# Altium PCB TIMESTICK_2.1.PcbDoc (part 2 of 2) (continued)
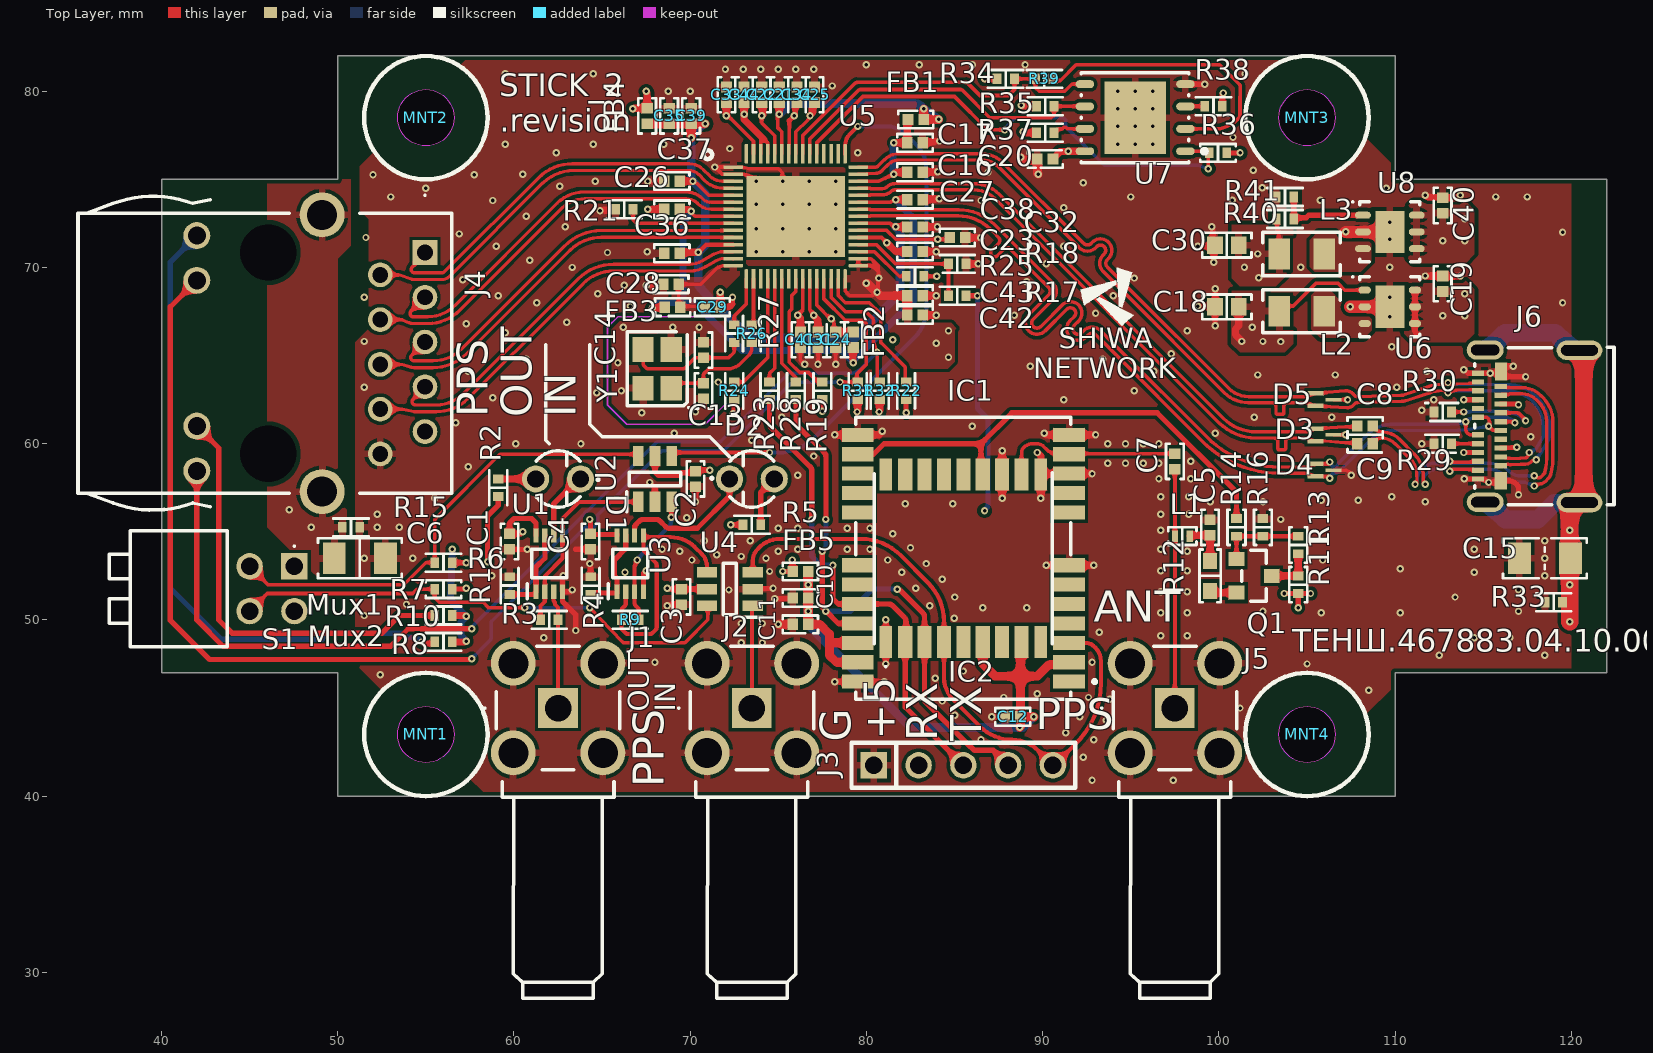
[diagram p0: Top Layer view]
## Nets (pads, with @x,y where several pads share a name; then routed paths per layer and width w, separated by ;. In a path a pad name is that pad's centre, name@x,y a point inside that pad or via, vN(x,y) a via of type N, cw(c..) or ccw(c..) an arc to the next point about the centre after c; other vN are vias at no path point) (continued)
  Top Layer w0.233: Q1.1@101,53.45 R14.2@101,54.75 R16.1@102.5,54.75 R13.1@104.5,54.75
NetQ1_2: Q1.2 R12.1 | length 1.5
  Top Layer w0.4: R12.1@99.5,51.65 99.6,51.55 Q1.2@101,51.55
NetR1_1: R1.1 U1.1 U1.7 | length 5
  Top Layer w0.286: R1.1@59.75,51.45 61.1,51.45 U1.1@61.25,51.6 61.25,53 61.75,53.5 U1.7@61.75,54.8
NetR4_2: R4.2 U3.1 U3.7 | length 5.1
  Top Layer w0.3: R4.2@64.344,51.448 64.419,51.523 65.844,51.523 U3.1@65.844,51.598 65.844,52.356 65.7,52.5 65.7,53.4 66.344,54.044 U3.7@66.344,54.798
NetR21_2: R21.2 U5.9 | length 6.4
  Top Layer w0.2: R21.2@66.756,73.3 66.756,72.7 66.956,72.5 71.932,72.5 U5.9@72.441,72.5
NetR22_1: R22.1 U5.29 | length 8.2
  Top Layer w0.2: U5.29@78.391,69.35 78.391,68.409 78.8,68 80.156,68 80.741,67.414 cw(c80.6,67.273) 80.8,67.273 80.8,65.833 ccw(c81,65.833) 80.859,65.692 82.142,64.408 cw(c82,64.268) 82.2,64.268 82.2,63.55 R22.1@82.25,63.5
NetR24_1: R24.1 U5.19 | length 6.9
  Top Layer w0.2: R24.1@72.5,63.5 73,63.5 74.391,64.891 U5.19@74.391,69.35
NetR25_1: R25.1 U5.33 | length 3.3
  Top Layer w0.2: U5.33@79.541,70.9 80.456,70.9 81.856,69.5 R25.1@82.256,69.5
NetR37_2: R37.2 U7.7 | length 1.9
  Top Layer w0.2: R37.2@90.644,77.65 90.644,77.7 90.794,77.85 91.095,77.85 91.195,77.95 91.315,77.95 91.4,77.865 U7.7@92.4,77.865
NetR38_2: R38.2 U7.3 | length 1.1
  Top Layer w0.203: U7.3@98.1,79.135 98.115,79.15 R38.2@99.194,79.15
NetR39_1: R39.1 U7.2 | length 16.6
  Top Layer w0.203: R39.1@90.594,80.7 90.694,80.6 90.994,80.6 91.894,81.5 99.966,81.5 cw(c99.966,81.297) 100.109,81.441 101.161,80.389 cw(c101.017,80.246) 101.22,80.241 101.196,79.222 ccw(c101.399,79.218) 101.196,79.218 101.196,78.63 cw(c100.993,78.63) 101.136,78.486 100.885,78.235 ; U7.2@98.1,77.865 100.015,77.865 ccw(c100.015,78.068) 100.07,77.872 ccw(c99.208,80.96) 100.846,78.205 ccw(c100.742,78.379) 100.884,78.234
NetR40_2: R40.2 R41.1 U8.1 | length 5.3
  Top Layer w0.3: R41.1@104.25,74 R40.2@104.25,72.75 104.317,72.817 104.95,72.817 105.1,72.967 U8.1@108.175,72.967
RESET_N: R19.1 U5.23 | length 7.2
  Top Layer w0.203: U5.23@75.991,69.35 75.991,68.635 75.75,68.394 75.75,67.624 75.623,67.497 75.623,64.627 76.212,64.039 76.712,64.039 77.25,63.5 R19.1@77.5,63.5
RF: C7.2 IC1.11 IC2.11 | length 10.4
  Top Layer w0.2: IC2.11@88.8,58.25 88.8,59.457 88.8,59.458 cw(c89.271,59.458) 88.938,59.791 cw(c89.444,59.281) 89.444,60 89.658,60 cw(c89.658,59.415) 90.07,59.83 90.2,59.7 90.26,59.64 ccw(c90.843,60.227) 90.7,59.412 IC1.11@91.5,59.4 91.54,59.44 C7.2@97.5,59.44
SPI_CLK: R35.2 U5.51 U7.6 | length 18.8
  Top Layer w0.203: U5.51@76.791,76.45 76.791,77.291 79.541,80.041 cw(c79.684,79.897) 79.684,80.1 85.316,80.1 cw(c85.316,79.897) 85.459,80.041 87,78.5 90.494,78.5 90.644,78.65 R35.2@90.644,79.15 92.385,79.15 U7.6@92.4,79.135
SPI_CS: R36.2 U5.50 U7.1 | length 28.7
  Top Layer w0.203: U5.50@77.191,76.45 77.191,77.091 79.8,79.7 84,79.7 85,79.7 86.887,77.813 87.837,77.813 v1(87.85,77.8) ; U7.1@98.1,76.595 99.302,76.595 R36.2@99.45,76.5 99.4,76.302 v1(99.4,75.6)
  Bottom Layer w0.203: v1(87.85,77.8) 87.85,77.859 87.986,77.995 87.986,78.036 88.45,78.5 91.181,78.5 91.3,78.381 91.3,78 93.5,75.8 98.8,75.8 cw(c98.8,75.597) 98.868,75.788 v1(99.4,75.6)
SPI_DIO: R34.2 R39.2 U5.52 U7.5 | length 20.1
  Top Layer w0.203: U5.52@76.391,76.45 76.391,77.491 79.341,80.441 cw(c79.484,80.297) 79.484,80.5 85.616,80.5 cw(c85.616,80.297) 85.759,80.441 86.441,79.759 88.059,79.759 88.4,80.1 R34.2@88.4,80.7 R39.2@89.594,80.7 89.594,80.206 89.8,80 91.25,80 91.655,80.405 U7.5@92.4,80.405
SSRX_N: D5.2 J6.A10 J6.B10 U5.44 | length 54
  Top Layer w0.195: U5.44@79.541,75.3 U5.44@79.994,75.303 ; U5.44@79.994,75.303 cw(c80.082,75.13) 80.082,75.324 ccw(c80.082,75.676) 80.085,75.324 ccw(c80.082,75.87) 80.11,75.325 80.544,75.346 ccw(c80.517,75.892) 80.902,75.504 81.25,75.853 ; 81.25,75.853 cw(c81.849,75.251) 81.849,76.1 86.534,76.1 cw(c86.534,74.734) 87.5,75.7 91.891,71.309 92.032,71.168 92.084,71.116 ccw(c92.543,71.575) 93.002,71.116 93.069,71.183 cw(c93.279,70.973) 93.489,71.183 cw(c93.279,70.973) 93.489,70.763 93.422,70.696 ccw(c93.881,70.237) 93.422,69.778 94.358,68.842 94.5,68.7 100.305,62.895 ccw(c101.683,64.273) 101.677,62.324 102.5,62.324 103.046,62.324 cw(c103.046,62.13) 103.24,62.13 103.24,61.745 ccw(c103.308,61.745) 103.308,61.678 103.622,61.678 ccw(c103.622,61.745) 103.689,61.745 103.689,62.13 cw(c103.883,62.13) 103.883,62.324 104.2,62.324 104.941,62.324 ccw(c104.943,62.676) 104.943,62.324 cw(c104.943,62.13) 105.132,62.174 D5.2@105.492,62.144 105.852,62.115 107.277,62.043 ccw(c107.3,62.5) 107.677,62.241 cw(c107.836,62.13) 107.685,62.251 cw(c107.836,62.13) 107.836,62.324 107.838,62.324 ccw(c107.836,62.87) 107.852,62.324 110.362,62.399 110.413,62.4 ccw(c110.397,62.946) 110.568,62.427 111.894,62.864 ccw(c111.723,63.383) 111.983,62.902 cw(c112.2,62.5) 112.117,62.95 112.284,62.981 cw(c112.32,62.789) 112.302,62.983 112.731,63.02 cw(c112.748,62.826) 112.75,63.021 cw(c112.748,62.826) 112.849,62.992 v1(113,62.9) cw(c113.095,62.73) 113.033,62.915 113.114,62.942 ccw(c113.052,63.126) 113.163,62.967 cw(c113.274,62.807) 113.276,63.001 ccw(c113.28,63.547) 113.278,63.001 ; 113.279,63.001 ccw(c113.28,63.547) 113.443,63.026 113.448,63.028 cw(c113.506,62.842) 113.498,63.036 114.19,63.063 ccw(c114.169,63.609) 114.26,63.071 114.265,63.071 cw(c114.297,62.88) 114.297,63.074 ; 114.297,63.074 cw(c114.297,62.88) 114.328,63.072 114.447,63.053 J6.A10@114.7,63 ; J6.B10@116,59.25 116.253,59.197 116.372,59.178 ccw(c116.403,59.37) 116.403,59.176 cw(c116.403,58.824) 116.405,59.176 cw(c116.403,58.63) 116.514,59.164 116.519,59.163 ccw(c116.558,59.354) 116.564,59.159 117.107,59.176 ccw(c117.101,59.371) 117.112,59.176 117.374,59.19 ccw(c117.364,59.385) 117.501,59.247 ccw(c117.364,59.385) 117.551,59.33 v1(117.6,59.5)
  Bottom Layer w0.195: v1(113,62.9) ccw(c113,63.047) 113.104,62.943 cw(c113.264,62.784) 113.264,63.009 116.329,63.009 cw(c116.329,60.929) 117.8,62.4 cw(c116.351,60.951) 118.4,60.951 118.4,60.531 118.4,60.433 cw(c118.205,60.433) 118.372,60.333 118.017,59.746 cw(c117.851,59.847) 117.939,59.674 v1(117.6,59.5) v1@117.749,59.477
SSRX_P: D5.1 J6.A11 J6.B11 U5.45 | length 54
  Top Layer w0.195: U5.45@79.541,75.7 79.994,75.697 ccw(c80.082,75.87) U5.45@80.082,75.676 ; U5.45@80.083,75.676 ccw(c80.082,75.87) 80.092,75.676 80.526,75.697 ccw(c80.517,75.892) 80.654,75.754 81.002,76.102 cw(c81.848,75.254) 81.848,76.452 86.538,76.452 cw(c86.538,74.743) 87.746,75.951 92.139,71.558 92.281,71.416 92.333,71.365 ccw(c92.543,71.575) 92.753,71.365 92.82,71.432 cw(c93.279,70.973) 93.738,71.432 cw(c93.279,70.973) 93.738,70.514 93.671,70.447 ccw(c93.881,70.237) 93.671,70.027 94.607,69.09 94.749,68.949 100.553,63.144 ccw(c101.683,64.274) 101.678,62.676 104.943,62.676 ccw(c104.943,62.87) 105.132,62.825 D5.1@105.492,62.856 105.832,62.885 107.165,63.002 cw(c107.212,62.439) 107.176,63.003 cw(c107.212,62.439) 107.677,62.759 ccw(c107.836,62.87) 107.842,62.676 110.352,62.75 ; 110.353,62.75 110.403,62.751 ccw(c110.397,62.946) 110.458,62.761 111.784,63.198 ccw(c111.723,63.383) 111.816,63.212 cw(c111.9,63.058) 111.818,63.213 cw(c112.2,62.5) 112.053,63.295 112.22,63.326 cw(c112.32,62.789) 112.268,63.333 cw(c112.302,62.983) 112.271,63.333 ; 112.272,63.333 112.7,63.37 ; 112.701,63.37 cw(c112.748,62.826) 112.751,63.373 cw(c112.75,63.021) 112.753,63.372 ccw(c112.756,63.567) 112.87,63.409 112.893,63.426 cw(c113.007,63.268) 112.948,63.454 v1(113,63.47) 113.047,63.459 cw(c113.01,63.267) 113.145,63.407 ccw(c113.28,63.547) 113.279,63.353 ccw(c113.28,63.547) 113.338,63.362 113.343,63.363 cw(c113.506,62.842) 113.485,63.388 114.177,63.415 ccw(c114.169,63.609) 114.201,63.417 114.206,63.418 cw(c114.297,62.88) 114.295,63.426 cw(c114.297,63.074) 114.297,63.426 ccw(c114.297,63.62) 114.328,63.428 114.447,63.447 J6.A11@114.7,63.5 ; J6.B11@116,58.75 116.253,58.803 116.372,58.822 cw(c116.403,58.63) 116.403,58.824 cw(c116.403,58.63) 116.442,58.82 116.447,58.819 ccw(c116.558,59.354) 116.575,58.808 117.119,58.825 ccw(c117.101,59.371) 117.13,58.825 117.393,58.839 ccw(c117.364,59.385) 117.749,58.997 ; 117.75,58.998 cw(c117.888,58.861) 117.833,59.048 v1(118.003,59.097)
  Bottom Layer w0.195: v1(113,63.47) cw(c113,63.323) 113.104,63.427 ccw(c113.264,63.586) 113.264,63.361 116.331,63.361 cw(c116.331,60.933) 118.048,62.65 ; 118.048,62.649 cw(c116.351,60.951) 118.752,60.951 118.752,60.531 cw(c118.4,60.531) 118.752,60.53 118.752,60.433 cw(c118.205,60.433) 118.673,60.15 118.318,59.565 ; v1@118.058,59.023 v1(118.003,59.097) 118.303,59.541 ccw(c117.851,59.847) 118.317,59.563 118.318,59.565
SSTX_N: C9.2 D3.2 U5.41 | length 35.2
  Top Layer w0.195: U5.41@79.541,74.1 79.544,74.103 80.191,74.103 ccw(c80.191,74.139) 80.217,74.113 cw(c80.243,74.088) 80.243,74.124 80.906,74.124 ccw(c80.906,74.885) 81.444,74.347 81.446,74.348 cw(c81.57,74.224) 81.57,74.4 ; 81.57,74.4 81.572,74.4 ccw(c81.569,74.946) 81.591,74.4 82.015,74.417 cw(c82.026,74.17) 82.026,74.417 83.506,74.417 cw(c83.506,74.17) 83.558,74.412 ccw(c83.595,74.584) 83.56,74.411 ccw(c83.67,74.946) 83.67,74.4 86.093,74.4 cw(c86.093,72.693) 87.3,73.9 100.003,61.197 ; 100.004,61.196 ccw(c102.11,63.301) 102.106,60.323 102.601,60.323 103.146,60.323 cw(c103.146,60.129) 103.341,60.129 103.341,59.74 ccw(c103.431,59.74) 103.431,59.65 103.7,59.65 ccw(c103.7,59.74) 103.79,59.74 103.79,60.129 cw(c103.984,60.129) 103.984,60.323 104.485,60.323 104.704,60.323 ccw(c104.704,60.869) 104.706,60.323 104.941,60.324 cw(c104.943,60.13) 104.943,60.324 cw(c104.943,60.13) D3.2@105.132,60.175 ; D3.2@105.132,60.174 D3.2@105.492,60.144 105.852,60.174 106.02,60.153 ccw(c106.051,60.398) 106.027,60.152 107.157,60.045 ccw(c107.2,60.5) 107.2,60.043 107.657,60.043 C9.2@107.86,60
SSTX_P: C8.2 D3.1 U5.42 | length 34.1
  Top Layer w0.195: U5.42@79.541,74.5 79.544,74.497 80.191,74.497 cw(c80.191,74.461) 80.217,74.487 ccw(c80.243,74.512) 80.243,74.476 80.904,74.476 ccw(c80.904,74.89) 81.197,74.597 cw(c81.569,74.226) 81.569,74.752 ; 81.57,74.752 ccw(c81.569,74.946) 81.577,74.752 82.002,74.768 cw(c82.026,74.17) 82.026,74.769 83.506,74.769 cw(c83.506,74.17) 83.63,74.756 ccw(c83.67,74.946) 83.67,74.752 86.097,74.752 cw(c86.097,72.703) 87.546,74.151 100.252,61.445 cw(c100.003,61.197) 100.253,61.444 ccw(c102.11,63.301) 102.107,60.675 104.704,60.675 ; 104.705,60.675 104.939,60.676 ; 104.94,60.676 cw(c104.943,60.324) 104.943,60.676 ccw(c104.943,60.87) 105.132,60.826 D3.1@105.49,60.845 ; D3.1@105.492,60.856 105.852,60.885 107.175,60.957 cw(c107.2,60.5) 107.2,60.957 107.657,60.957 C8.2@107.86,61
USB3.0_SSTX_N: C9.1 J6.A3 J6.B3 | length 20.7
  Top Layer w0.195: C9.1@108.74,60 cw(c108.788,60) 108.754,60.034 108.934,60.214 cw(c109.2,59.948) 109.2,60.324 cw(c109.2,59.176) 110.012,59.988 110.844,59.156 110.854,59.146 cw(c109.896,58.203) 111.238,58.273 ; v1(111.13,57.7) 111.215,57.855 ccw(c111.045,57.948) 111.239,57.948 111.238,58.265 ccw(c111.044,58.264) 111.238,58.273 ; v1(113.1,59) 113.17,58.971 ccw(c113.243,59.151) 113.231,58.957 113.392,58.948 ccw(c113.403,59.142) 113.403,58.947 114.447,58.947 J6.A3@114.7,59 ; J6.B3@116,62.75 cw(c116.127,62.623) 116.127,62.803 116.45,62.803 ccw(c116.45,62.839) 116.476,62.813 cw(c116.502,62.788) 116.502,62.824 117.217,62.824 cw(c117.217,61.717) 118,62.5 118.15,62.35 cw(c117.064,61.264) 118.6,61.264 118.6,60.066 118.6,59.188 cw(c115.384,59.188) 118.493,58.366 cw(c118.305,58.416) 118.444,58.28 118.288,58.119 cw(c118.148,58.255) 118.149,58.061 ; v1(117.9,58.17) 118.055,58.085 ccw(c118.148,58.255) 118.148,58.061
  Bottom Layer w0.195: v1(111.13,57.7) cw(c111.277,57.7) 111.173,57.804 ccw(c110.99,57.987) 111.249,57.987 cw(c111.875,57.987) 111.432,58.429 111.652,58.649 cw(c112.235,58.067) 112.235,58.891 112.853,58.891 ccw(c112.853,59.077) 112.984,58.945 112.996,58.957 cw(c113.1,58.853) v1(113.1,59) cw(c113.1,58.853) 113.204,58.957 ccw(c113.364,59.116) 113.364,58.891 115.389,58.891 cw(c115.389,57.399) 116.443,58.454 ccw(c117.126,59.133) 117.124,58.17 117.32,58.17 v1(117.9,58.17)
USB3.0_SSTX_P: C8.1 J6.A2 J6.B2 | length 21.9
  Top Layer w0.195: C8.1@108.74,61 ccw(c108.788,61) 108.754,60.966 108.943,60.777 108.993,60.739 ccw(c109.111,60.893) 109.088,60.7 109.38,60.665 cw(c109.2,59.176) 110.26,60.237 111.093,59.404 cw(c110.844,59.156) 111.095,59.402 111.104,59.393 cw(c109.896,58.203) 111.589,58.289 cw(c111.414,58.281) 111.59,58.286 cw(c111.044,58.264) 111.59,58.266 111.591,57.95 cw(c111.239,57.948) 111.591,57.948 ccw(c111.785,57.948) 111.615,57.855 v1(111.7,57.7) ; v1(113.1,58.43) cw(c113.277,58.35) 113.278,58.544 114.447,58.544 J6.A2@114.7,58.5 ; J6.B2@116,63.25 ccw(c116.127,63.377) 116.127,63.197 116.45,63.197 cw(c116.45,63.161) 116.476,63.187 ccw(c116.502,63.212) 116.502,63.176 117.219,63.176 cw(c117.219,61.721) 118.248,62.75 118.398,62.6 cw(c117.064,61.264) 118.952,61.264 118.952,60.066 cw(c118.6,60.066) 118.952,60.064 118.952,59.188 cw(c115.384,59.188) 118.833,58.277 cw(c118.305,58.416) 118.696,58.034 118.539,57.874 cw(c118.148,58.255) 118.148,57.709 ccw(c118.148,57.515) 118.055,57.685 v1(117.9,57.6)
  Bottom Layer w0.195: v1(111.7,57.7) ccw(c111.553,57.7) 111.657,57.804 cw(c111.793,57.94) 111.6,57.94 cw(c111.987,57.94) 111.714,58.214 111.9,58.4 cw(c112.236,58.064) 112.236,58.539 112.853,58.539 cw(c112.853,58.353) 112.984,58.485 112.996,58.473 ccw(c113.1,58.577) v1(113.1,58.43) ccw(c113.1,58.577) 113.204,58.473 cw(c113.364,58.314) 113.364,58.539 115.385,58.539 cw(c115.385,57.391) 116.197,58.203 ccw(c117.123,59.126) 117.123,57.818 ccw(c117.124,58.17) 117.125,57.818 117.32,57.818 cw(c117.32,57.624) 117.392,57.804 v1(117.9,57.6)
VBUS: R17.1 R18.2 U5.34 | length 7.4
  Top Layer w0.2: U5.34@79.541,71.3 80.556,71.3 81.656,70.2 R18.2@84.656,70.2 R17.1@84.656,68.4
VBUS_+5V: C1.2 C2.2 C3.2 C4.2 C19.2 C40.2 J3.2 J6.A4 J6.A9 J6.B4 J6.B9 R2.2 R5.2 R6.2 R7.2 R11.2 R17.2 U1.8 U2.5 U3.8 U4.5 U6.4 U6.5 U6.6 U8.4 U8.5 U8.6 | length 40.4
  Top Layer w0.3: R7.2@56.5,51.75 57.218,51.75 57.268,51.8 v1(57.3,51.8) ; R6.2@56.5,53.25 v1(57.3,53.25) ; v1(58.5,53.3) 58.5,55.9 59.1,56.5 R2.2@59.1,57 ; v1(60.5,55) 60.39,54.89 C1.2@59.75,54.89 59.75,55.5 60,55.75 61,55.75 61.25,55.5 U1.8@61.25,54.8 ; v1(64.3,55.7) 64.3,55.668 64.344,55.623 C4.2@64.344,54.888 64.389,54.843 65.844,54.843 U3.8@65.844,54.798 ; U2.5@68,59.3 68,58.4 68.2,58.2 69.38,58.2 69.53,58.35 70.19,58.35 C2.2@70.29,58.45 ; v1(68.7,51.8) 68.75,51.75 C3.2@69.5,51.75 U4.5@70.95,51.75 ; C2.2@70.28,58.44 70.47,58.5 v1(71.1,58.5) ; v1(72.3,55.4) R5.2@73,55.4 ; R17.2@85.656,68.4 v1(86.3,68.4) ; v1(103.7,51.5) R11.2@104.5,51.5 ; v1(104.5,50.7) R11.2@104.5,51.5 ; v1(105.2,51.5) R11.2@104.5,51.5 ; U6.6@111.125,68.717 U6.5@111.125,67.767 U6.4@111.125,66.817 111.125,66.342 111.2,66.267 ; v1(113.9,59.5) 114.5,59.5 J6.A4@114.7,59.5 ; v1(113.9,62.5) 114.5,62.5 J6.A9@114.7,62.5 ; J6.B9@116,59.75 116.2,59.75 v1(116.9,59.8) ; J6.B4@116,62.25 116.879,62.25 cw(c116.879,62.079) v1(117,62.2)
  Bottom Layer w0.3: v1(86.3,68.4) 86.3,62 86.9,61.4 86.9,56.432 86.7,56.232 v1(86.7,56.2)
  other v1: 112.7,67.267 113.95,67.267 113.95,68.517 112.7,71.517 113.95,71.517 113.95,72.767
VCCK10: C30.2 C41.2 C42.2 C43.2 C44.2 L3.2 R40.1 U5.24 U5.30 U5.31 U5.32 U5.57 U5.58 | length 20.8
  Top Layer w0.2: U5.58@73.991,76.45 73.991,77.135 74.156,77.3 74.391,77.065 U5.57@74.391,76.45 ; v1(76.1,67.3) 76.391,67.591 U5.24@76.391,69.35 ; U5.30@78.791,69.35 78.791,68.665 79.056,68.4 80.333,68.4 80.533,68.6 v1(80.6,68.6) 80.656,68.656 v1@80.656,69.4 ; v1(80.7,69.4) 80.689,69.411 80.689,69.767 80.656,69.8 ; R40.1@103.25,72.75 103.3,72.7 103.3,72.15 103.4,72.05 103.4,70.792 L3.2@103.425,70.767 ; 80.356,70.1 80.656,69.8 ; 80.356,70.1 U5.31@79.541,70.1 U5.32@79.541,70.5 80.256,70.5 80.656,70.1 ; 80.356,70.1 80.656,70.1 ; 80.656,69.8 80.656,70.1
  Top Layer w0.4: C44.2@73.056,79.36 v1(73.056,78.7) 73.06,78.696 73.06,78.396 74.106,77.35 74.106,77.25 ; v1(76.1,67.3) 76.1,67.273 76.256,67.117 C41.2@76.256,66.34
  Top Layer w0.5: v1(80,69.1) 80.056,69.1 80.556,68.6 v1(80.6,68.6) 80.8,68.4 C43.2@82.316,68.4 C42.2@82.316,67.3
  other v1: 84.656,64.9 83.956,65.7 84.656,66.4 102.25,69.417 101.45,70.017 102.2,70.767
VCORE_LDO: C21.2 FB1.1 U5.55 | length 13.9
  Top Layer w0.2: v1(75.056,78.7) 75.056,78.64 74.956,78.54 74.956,77.94 75.191,77.705 U5.55@75.191,76.45
  Top Layer w0.4: v1(75.056,78.7) C21.2@75.056,79.36
  Top Layer w0.5: v1(83.25,79) 83.249,78.47 FB1.1@83.24,78.4 v1(84.1,78.4)
  Bottom Layer w0.5: v1(75.056,78.7) 75.656,79.3 82.743,79.3 cw(c82.743,78.8) 83.096,79.154 ; v1(83.25,79) v1(84.1,78.4)
VDD_NEO: C10.2 C11.2 C12.2 FB5.2 IC1.2 IC1.22 IC1.23 IC2.6 IC2.8 | length 39.2
  Top Layer w0.5: FB5.2@76.69,52.75 v1(76.69,52) C10.2@76.69,51.25 v1(76.69,50.5) C11.2@76.69,49.75 77.35,49.75 77.9,49.2 77.9,48.8 ; IC1.23@79.5,47.6 78.3,47.6 77.9,48 77.9,48.8 ; IC1.22@79.5,48.7 78,48.7 77.9,48.8 ; IC2.6@86.6,48.75 86.6,47.5 87.3,46.8 88.74,46.8 ; v1(88.7,43.9) 88.74,43.94 C12.2@88.74,44.5 ; IC2.8@88.8,48.75 88.74,48.69 88.74,46.8 ; v1(89.5,44.5) C12.2@88.74,44.5 ; IC1.2@91.5,47.6 91.367,47.467 90.433,47.467 90.416,47.45 90.35,47.45 89.7,46.8 88.74,46.8 ; C12.2@88.74,44.5 88.74,46.8
  Bottom Layer w0.5: v1(76.69,52) v1(76.69,50.5) 76.69,49.71 82.5,43.9 86.837,43.9 86.847,43.89 87.353,43.89 87.363,43.9 v1(88.7,43.9) 88.9,43.9 v1(89.5,44.5)
XTL20N: R27.2 U5.16 | length 2.9
  Top Layer w0.203: R27.2@72.5,66.75 72.5,67.25 73.191,67.941 U5.16@73.191,69.35
XTL20P: R26.2 U5.17 | length 2.7
  Top Layer w0.203: R26.2@73.476,66.726 73.591,66.841 U5.17@73.591,69.35
pads on no net: IC1.1 IC1.4 IC1.5 IC1.6 IC1.8 IC1.9 IC1.15 IC1.16 IC1.17 IC1.18 IC1.19 IC2.5 IC2.7 IC2.9 IC2.14 IC2.15 IC2.16 IC2.17 IC2.18 J4.9 J4.17 J4.18 J6.A8 J6.B8 MNT1. MNT2. MNT3. MNT4. U5.18 U5.22 U5.47 U5.48 U5.49 U5.60

## Polygon pours and split planes (outlines as drawn)
GND on Top Layer "NONET_L-01_P-001" (solid, pour order 62): 57.5,82 51.25,75.75 51.25,73.25 51.75,72.75 51.75,66.5 51,65.75 51,47.5 52,46.5 58.5,40 103.7,40 110.7,47 120,47 120,75 110.7,75 103.7,82
VCCK10 on Top Layer "NONET_L-01_P-001" (solid, pour order 56): 82.5,64.25 81.25,65.5 81.25,66.75 79.75,68.25 79,68.25 78.5,68.75 78.5,70.5 78.75,70.75 80.25,70.75 82.5,68.5 82.5,67.25 82.9,66.85 84.8,66.85 85.1,66.55 85,66.45 85,64.65 84.6,64.25
VBUS_+5V on Top Layer "NONET_L-01_P-001" (solid, pour order 49): 110.5,73.25 111,73.75 114,73.75 114.5,73.25 114.5,70.75 114,70.25 111,70.25 110.5,70.75
NetC28_2 on Top Layer "NONET_L-01_P-001" (solid, pour order 57): 68.95,69.45 70.7,69.45 71.45,70.2 72.8,70.2 72.8,69.55 71.2,67.95 71.2,67.2 68.95,67.2
CHASSIS_GND on Top Layer "NONET_L-01_P-001" (solid, pour order 63): 49,52.263 46,55.263 46,75 50.725,75 50.725,71.225 50,70.5 50,56.75 50.5,56.25 50.5,52.263
VBUS_+5V on Top Layer "NONET_L-01_P-001" (solid, pour order 50): 110.5,68.75 111,69.25 114,69.25 114.5,68.75 114.5,66.25 114,65.75 111,65.75 110.5,66.25
NetL3_1 on Top Layer "NONET_L-01_P-001" (solid, pour order 51): 105.15,71.55 105.65,72.05 106.65,72.05 107.15,71.55 108.45,71.55 108.65,71.35 108.65,70.35 108.05,69.75 105.45,69.75 105.15,70.05
NetL2_1 on Top Layer "NONET_L-01_P-001" (solid, pour order 52): 107.75,67.25 106.25,68.75 105.5,68.75 105.25,68.5 105.25,66.5 105.75,66 108.25,66 108.75,66.5 108.75,67 108.5,67.25
VCCK10 on Top Layer "NONET_L-01_P-001" (solid, pour order 53): 104.225,72.433 100.725,72.433 100.725,69.383 101.175,68.933 103.225,68.933 104.225,69.933
DVDD_33 on Top Layer "NONET_L-01_P-001" (solid, pour order 54): 101.2,65.183 100.7,65.683 100.725,68.683 104.225,68.683 104.225,65.683 103.725,65.183 101.225,65.183
DVDD_33 on Int2 "NONET_L-01_P-001" (solid, remove dead copper, pour order 68): 72,62 72,60 74,58 74,53.5 75,52.5 80.7,52.5 91.7,63.5 102,63.5 104,65.5 104,78 100,82 86.75,82 66.5,82 66,81.5 66,78.5 66.5,78 71.5,78 74,75.5 74,64
VBUS_+5V on Int2 "NONET_L-01_P-001" (solid, pour order 70): 81.9,53.1 80.8,52 75,52 73.25,53.75 73.25,58 72.25,59 63,59 57,53 52.5,53 52,52.5 52,47.5 52.5,47 75.5,47 82,40.5 86,40.5 94.5,49 104.8,49 110.8,49 117.8,56 117.8,75 104.5,75 104.5,65.5 102,63 91.8,63
GND on Int2 "NONET_L-01_P-001" (solid, pour order 71): 59,82 65,82 65,78.5 66,77.5 71,77.5 72,76.5 72,68 71.2,67.2 65.9,67.2 65,66.3 65,61.5 57,53.5 51,53.5 51,74
VCCK10 on Int2 "NONET_L-01_P-001" (solid, pour order 60): 83,64 85,64 89.5,68.5 101.5,68.5 102.5,69.5 102.5,72 101.5,73 89,73 83.3,67.3 82.5,66.5 82.5,64.5
VCCK10 on Int2 "NONET_L-01_P-001" (solid, pour order 61): 72.6,71.75 74.5,69.85 74.5,67.75 75.25,67 76.25,67 76.5,67.25 76.5,67.75 76.75,68 80.5,68 82.1,69.6 82.1,75.8 79.7,78.2 74.1,78.2 73.25,79.05 72.85,79.05 72.1,78.3 72.1,74.8 72.6,74.3
GND on Int1 "NONET_L-01_P-001" (solid, pour order 65): 51,51 47,51 46.5,50.5 46.5,48 47,47.5 51,47.5 58.5,40 103.2,40 110.2,47 119.7,47 119.7,75 110.2,75 103.2,82 59,82 51,74
CHASSIS_GND on Int1 "NONET_L-01_P-001" (solid, pour order 64): 50,70.5 50.75,71.25 50.75,74 50,74.75 49.5,74.75 46,74.75 46,56 47.25,54.75 49.75,54.75 50,55
GND on Bottom Layer "NONET_L-01_P-001" (solid, pour order 66): 51,50 59,42 59,40 101.5,40 108.5,47 120,47 120,75 108.5,75 101.5,82 59,82 51,74
DVDD_1.85 on Bottom Layer "NONET_L-01_P-001" (solid, pour order 59): 73.6,76.2 78.1,76.2 79.1,75.2 79.1,71.7 77.1,69.7 77.1,67.2 77.6,66.7 77.6,66.2 79.1,66.2 81.6,68.7 81.6,72.7 81.1,73.2 81.1,78.5 79.1,78.5 78.4,79.2 73.6,79.2 73.1,78.7 73.1,76.7

## Keep-outs
Top Layer:
  lines w0.1: 71.75,67.2 65.9,67.2 65.3,66.6 65.3,62.2 66.4,61.1 70.5,61.1 70.85,61.1 72,62.25
Int1:
  lines w0.1: 72.9,70.5 72.9,67.8 72.3,67.2 65.9,67.2 65.3,66.6 65.3,66.5 65.3,62.6 65.3,62.2 66.4,61.1 70.5,61.1 70.7,61.3 71.1,61.3 74,64.2 74,70.3
Int2:
  lines w0.1: 72.9,70.5 72.9,67.8 72.3,67.2 65.9,67.2 65.3,66.6 65.3,66.5 65.3,62.6 65.3,62.2 66.4,61.1 70.5,61.1 70.7,61.3 71.1,61.3 74,64.2 74,70.3
Bottom Layer:
  lines w0.1: 67.75,67.25 67.7,67.2 65.9,67.2 65.3,66.6 65.3,66.5 65.3,62.6 65.3,62.2 66.4,61.1 70.5,61.1 70.7,61.3 71.1,61.3 74,64.2 74,64.75

## Silkscreen, mask and mechanical layers (free items; w line width, h text height)
Top Overlay:
  drawing of 10 lines, arcs and shapes, not listed
  text "STICK_2" at 59.171,79.278 h2.2
  text ".revision" at 59.185,77.279 h2.2
  text "SHIWA" at 90.922,65.015 h2
  text "NETWORK" at 89.464,63.316 h2
  text "PPS" at 59.1,61.5 h3 r90
  text "OUT" at 61.6,61.5 h3 r90
  text "IN" at 64.1,61.5 h3 r90
  text "Mux1" at 48.2,49.9 h2
  text "ANT" at 92.9,49.3 h3
  text "Mux2" at 48.3,48.1 h2
  text "ТЕНШ.467883.04.10.000" at 104.153,47.778 h2.2
  text "OUT" at 68.05,44.8 h2 r90
  text "IN" at 69.55,44.8 h2 r90
  text "+5" at 82.2,43.2 h3 r90
  text "PPS" at 89.6,43.2 h3
  text "G" at 79.7,43.1 h3 r90
  text "RX" at 84.6,43.112 h3 r90
  text "TX" at 87.1,43.112 h3 r90
  text "PPS" at 69.1,40.5 h3 r90
Top Solder:
  region: 65.8,70.3 65.9,70.4 66.9,70.4 67,70.3 67,69.7 66.9,69.6 65.9,69.6 65.8,69.7
  region: 65.1,72.2 65.2,72.3 66.2,72.3 66.3,72.2 66.3,71.6 66.2,71.5 65.2,71.5 65.1,71.6
  region: 64.2,74.4 64.3,74.5 65.3,74.5 65.4,74.4 65.4,73.8 65.3,73.7 64.3,73.7 64.2,73.8
  region: 63.3,76 63.4,76.1 64.4,76.1 64.5,76 64.5,75.4 64.4,75.3 63.4,75.3 63.3,75.4
Top Courtyard:
  lines w0.05: 107.25,72.85 108.4,74 ; 107.85,68.25 109,69.4
  lines w0.2: 97.55,75.95 98.7,77.1
Mechanical 19:
  drawing of 176 lines, arcs and shapes, not listed
DIMENSIONS:
  drawing of 347 lines, arcs and shapes, not listed
  text "Layer" at 41.768,134.776 h1.52
  text "Name" at 52.18,134.776 h1.52
  text "Material" at 85.953,134.776 h1.52
  text "Thickness" at 100.173,134.776 h1.52
  text "Constant" at 116.679,134.776 h1.52
  text "Board Layer Stack" at 131.153,134.776 h1.52
  text "Top Overlay" at 52.18,131.728 h1.52
  text "Top Solder" at 52.18,128.68 h1.52
  text "SM-001" at 85.953,128.68 h1.52
  text "0.025mm" at 100.173,128.68 h1.52
  text "3.5" at 116.679,128.68 h1.52
  text "Top Copper Plating" at 52.18,125.632 h1.52
  text "PbSn" at 85.953,125.632 h1.52
  text "0.027mm" at 100.173,125.632 h1.52
  text "1" at 41.768,122.584 h1.52
  text "Top Layer" at 52.18,122.584 h1.52
  text "CF-003" at 85.953,122.584 h1.52
  text "0.018mm" at 100.173,122.584 h1.52
  text "Dielectric 1" at 52.18,119.536 h1.52
  text "FR4" at 85.953,119.536 h1.52
  text "0.127mm" at 100.173,119.536 h1.52
  text "4.2" at 116.679,119.536 h1.52
  text "2" at 41.768,116.488 h1.52
  text "Int1" at 52.18,116.488 h1.52
  text "CF-003" at 85.953,116.488 h1.52
  text "0.018mm" at 100.173,116.488 h1.52
  text "Dielectric 2" at 52.18,113.44 h1.52
  text "FR4" at 85.953,113.44 h1.52
  text "1.200mm" at 100.173,113.44 h1.52
  text "4.6" at 116.679,113.44 h1.52
  text "3" at 41.768,110.392 h1.52
  text "Int2" at 52.18,110.392 h1.52
  text "CF-003" at 85.953,110.392 h1.52
  text "0.018mm" at 100.173,110.392 h1.52
  text "Dielectric 3" at 52.18,107.344 h1.52
  text "FR4" at 85.953,107.344 h1.52
  text "0.127mm" at 100.173,107.344 h1.52
  text "4.2" at 116.679,107.344 h1.52
  text "4" at 41.768,104.296 h1.52
  text "Bottom Layer" at 52.18,104.296 h1.52
  text "CF-003" at 85.953,104.296 h1.52
  text "0.018mm" at 100.173,104.296 h1.52
  text "Bottom Copper Plating" at 52.18,101.248 h1.52
  text "PbSn" at 85.953,101.248 h1.52
  text "0.027mm" at 100.173,101.248 h1.52
  text "Bottom Solder" at 52.18,98.2 h1.52
  text "SM-001" at 85.953,98.2 h1.52
  text "0.025mm" at 100.173,98.2 h1.52
  text "3.5" at 116.679,98.2 h1.52
  text "Bottom Overlay" at 52.18,95.152 h1.52

## Dimensions
73.5,45 to 97.5,45 on Top Component Center
62.5,45 to 73.5,45 on Top Component Center
50,75 to 40,75 on Top Component Center
110,75 to 122,75 on Top Component Center
55,78.5 to 55,43.5 on Top Component Center
55,43.5 to 105,43.5 on Top Component Center
122,47 to 122,75 on Top Component Center
50,82 to 110,82 on Top Component Center
110,40 to 51.25,75.75 on Top Component Center
40,75 to 122,75 on Top Component Center